# Allegro board SDHCalFEB20180110.brd (continued)
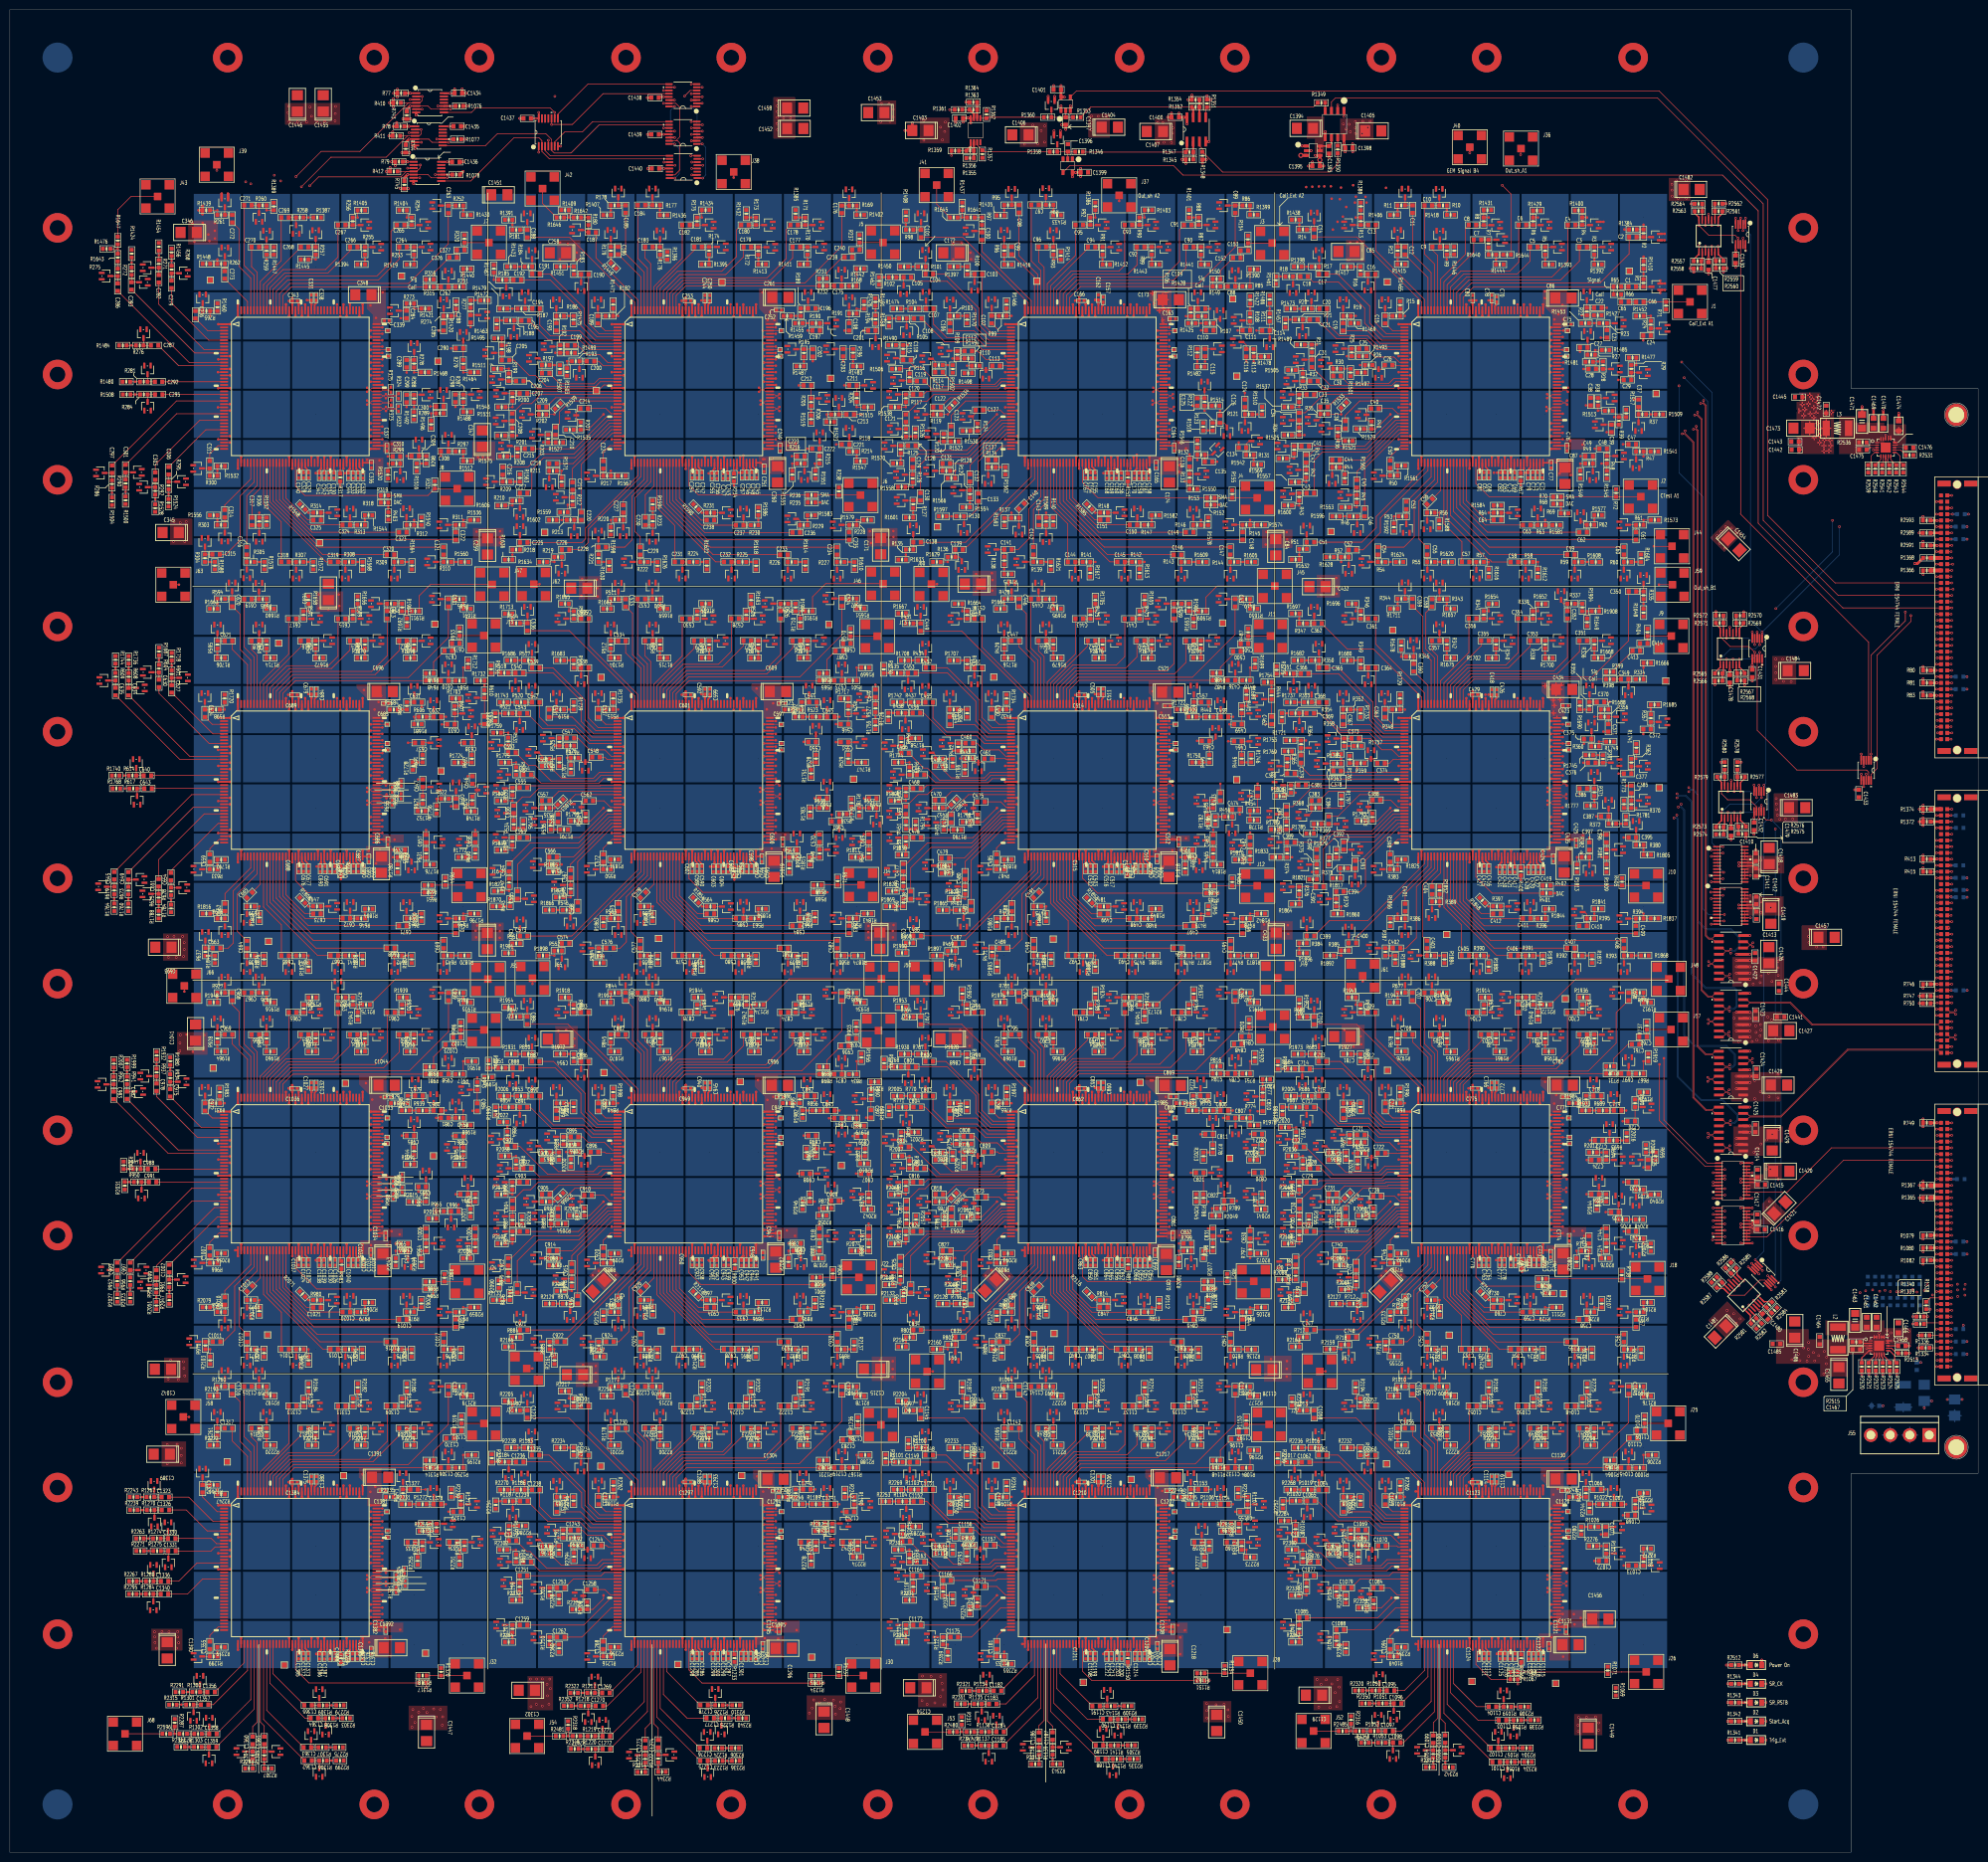
[diagram p0: board, top side]
## Routing (per net, layer and track width the routed paths; a pad name or vN(x,y) marks a point on that pad's centre or on a via; arc(x,y) is an arc through that point) (continued)
GEM_OUT_A32: length 4.1
  TOP w0.127: R1505.2 262,301.2 262.26,301.46 v1(262.94,301.46) R32.1
  GND1 w0.127: v2(262.2,301.46) v1(262.94,301.46)
  GND3 w0.127: v3(262.2,302.2) v2(262.2,301.46)
GEM_OUT_A33: length 4
  TOP w0.127: R1537.2 261.26,293.68 261.27,293.67 v1(262.2,293.67) 262.18,293.69 R33.1
  GND1 w0.127: v2(262.2,292.94) v1(262.2,293.67)
  GND3 w0.127: v3(262.2,292.2) v2(262.2,292.94)
GEM_OUT_A34: length 33.3
  TOP w0.127: R1525.2 R34.1 v1(263.25,287.99)
  GND1 w0.127: v1(263.25,287.99) v2(263.98,287.99)
  SIG3 w0.127: v2(291.21,292.2) 283.08,292.2 278.87,287.99 v2(263.98,287.99)
  GND3 w0.127: v3(292.2,292.2) v2(291.21,292.2)
GEM_OUT_A35: length 5.5
  TOP w0.127: R35.1 268.59,292.26 268.65,292.2 v1(270.73,292.2) 270.73,292.64 270.73,292.65 270.73,293.5 R1533.2
  GND1 w0.127: v1(270.73,292.2) v2(271.46,292.2)
  GND3 w0.127: v3(272.2,292.2) v2(271.46,292.2)
GEM_OUT_A36: length 36.8
  TOP w0.127: R36.1 v1(270.06,286.82) 270.5,286.82 270.51,286.81 R1521.2
  GND1 w0.127: v1(270.06,286.82) v2(270.79,286.82)
  SIG3 w0.127: v2(270.79,286.82) 279.2,286.82 283.69,291.31 300.38,291.31 v2(301.27,292.2)
  GND3 w0.127: v3(302.2,292.2) v2(301.27,292.2)
GEM_OUT_A37: length 3.4
  TOP w0.127: R1509.2 334.66,292.2 v1(333.67,292.2) 332.72,292.2 R37.1
  GND1 w0.127: v2(332.94,292.2) v1(333.67,292.2)
  GND3 w0.127: v3(332.2,292.2) v2(332.94,292.2)
GEM_OUT_A38: length 4
  TOP w0.127: R38.1 322.94,293.44 322.94,293.43 v1(322.94,292.94) 323.8,292.94 323.8,292.93 R1513.2
  GND1 w0.127: v2(322.2,292.94) v1(322.94,292.94)
  GND3 w0.305: v3(322.2,292.2) v2(322.2,292.94)
GEM_OUT_A39: length 16.7
  TOP w0.127: v1(326.24,291.64) R39.1 327.8,291.64 327.8,291.63 R1517.2
  GND1 w0.127: v1(326.24,291.64) v2(325.5,291.64)
  SIG3 w0.127: v2(313,292.2) 313.56,291.64 v2(325.5,291.64)
  GND3 w0.127: v3(312.2,292.2) v2(313,292.2)
GEM_OUT_A40: length 8.1
  TOP w0.127: v1(280.73,292.2) 277.76,289.23 R40.1 R1529.2
  GND1 w0.127: v2(281.46,292.2) v1(280.73,292.2)
  GND3 w0.127: v3(282.2,292.2) v2(281.46,292.2)
GEM_OUT_A41: length 4
  TOP w0.127: R41.1 261.16,284.22 v1(261.16,283.24) 260.71,283.24 260.71,283.24 R1569.2
  GND1 w0.127: v2(261.68,282.72) v1(261.16,283.24)
  GND3 w0.127: v3(262.2,282.2) v2(261.68,282.72)
GEM_OUT_A42: length 33.5
  TOP w0.127: R42.1 v1(263.61,278.43) 262.69,278.43 262.68,278.44 R1557.2
  GND1 w0.127: v2(263.61,279.17) v1(263.61,278.43)
  SIG3 w0.127: v2(292.2,281.46) 289.91,279.17 v2(263.61,279.17)
  GND3 w0.127: v3(292.2,282.2) v2(292.2,281.46)
GEM_OUT_A43: length 4
  TOP w0.127: R43.1 262.2,274.64 v1(262.2,273.67) 261.28,273.67 261.26,273.69 R1600.2
  GND1 w0.127: v2(262.2,272.94) v1(262.2,273.67)
  GND3 w0.127: v3(262.2,272.2) v2(262.2,272.94)
GEM_OUT_A44: length 4
  TOP w0.127: R1565.2 271.45,280.57 271.46,280.58 v1(271.46,281.46) 271,281.46 271,281.46 R44.1
  GND1 w0.127: v1(271.46,281.46) v2(272.2,281.46)
  GND3 w0.127: v3(272.2,282.2) v2(272.2,281.46)
GEM_OUT_A45: length 35.4
  TOP w0.127: R45.1 v1(273.89,273.3) 272.9,273.3 272.89,273.31 R1553.2
  GND1 w0.127: v2(273.89,274.08) v1(273.89,273.3)
  SIG3 w0.127: v2(302.2,281.46) 300.92,281.46 297.87,278.41 278.22,278.41 v2(273.89,274.08)
  GND3 w0.127: v3(302.2,282.2) v2(302.2,281.46)
GEM_OUT_A46: length 3.5
  TOP w0.127: R46.1 271.47,271.45 v1(271.46,271.46) 270.45,271.46 R1596.2
  GND1 w0.127: v2(272.2,271.46) v1(271.46,271.46)
  GND3 w0.127: v3(272.2,272.2) v2(272.2,271.46)
GEM_OUT_A47: length 3.9
  TOP w0.127: v1(332.2,283.67) 332.19,283.68 R47.1 R1541.2
  GND1 w0.127: v2(332.2,282.94) v1(332.2,283.67)
  GND3 w0.127: v3(332.2,282.2) v2(332.2,282.94)
GEM_OUT_A48: length 4
  TOP w0.127: R1545.2 R48.1 324.14,282.21 324.13,282.2 v1(323.67,282.2)
  GND1 w0.127: v2(322.94,282.2) v1(323.67,282.2)
  GND3 w0.127: v3(322.2,282.2) v2(322.94,282.2)
GEM_OUT_A49: length 10.7
  TOP w0.127: R1549.2 319.35,281.3 319.35,281.3 v1(319.35,282.2) 319.35,282.2 R49.1
  GND1 w0.127: v2(318.61,282.2) v1(319.35,282.2)
  SIG3 w0.127: v2(318.61,282.2) 312.94,282.2 v2(312.2,281.46)
  GND3 w0.127: v3(312.2,282.2) v2(312.2,281.46)
GEM_OUT_A50: length 3.5
  TOP w0.127: R50.1 282.21,280.72 v1(282.2,280.73) 282.21,280.74 R1561.2
  GND1 w0.127: v2(282.2,281.46) v1(282.2,280.73)
  GND3 w0.127: v3(282.2,282.2) v2(282.2,281.46)
GEM_OUT_A51: length 3.6
  TOP w0.127: R1632.2 262.2,262.7 v1(262.2,263.67) 262.2,264.12 262.19,264.13 R51.1
  GND1 w0.127: v2(262.2,262.94) v1(262.2,263.67)
  GND3 w0.127: v3(262.2,262.2) v2(262.2,262.94)
GEM_OUT_A52: length 4
  TOP w0.127: R1628.2 270.15,263.19 270.15,263.2 R52.1 v1(270.73,262.2)
  GND1 w0.127: v2(271.46,262.2) v1(270.73,262.2)
  GND3 w0.127: v3(272.2,262.2) v2(271.46,262.2)
GEM_OUT_A53: length 3.9
  TOP w0.127: R1592.2 281.45,270.58 281.46,270.59 v1(281.46,271.46) 282.43,271.46 R53.1
  GND1 w0.127: v2(281.46,272.2) v1(281.46,271.46)
  GND3 w0.127: v3(282.2,272.2) v2(281.46,272.2)
GEM_OUT_A54: length 3.6
  TOP w0.127: R54.1 v1(280.73,262.2) R1624.2
  GND1 w0.127: v2(281.46,262.2) v1(280.73,262.2)
  GND3 w0.127: v3(282.2,262.2) v2(281.46,262.2)
GEM_OUT_A55: length 3.5
  TOP w0.127: R1620.2 v1(290.73,262.2) R55.1
  GND1 w0.127: v2(291.46,262.2) v1(290.73,262.2)
  GND3 w0.127: v3(292.2,262.2) v2(291.46,262.2)
GEM_OUT_A56: length 4.1
  TOP w0.127: R1588.2 290.65,271.68 290.73,271.76 v1(290.73,272.2) 290.72,272.21 R56.1
  GND1 w0.127: v2(291.46,272.2) v1(290.73,272.2)
  GND3 w0.127: v3(292.2,272.2) v2(291.46,272.2)
GEM_OUT_A57: length 4
  TOP w0.127: R1616.2 300.74,261.28 300.73,261.29 v1(300.73,262.2) R57.1
  GND1 w0.127: v2(301.46,262.2) v1(300.73,262.2)
  GND3 w0.127: v3(302.2,262.2) v2(301.46,262.2)
GEM_OUT_A58: length 4
  TOP w0.127: R58.1 v1(310.73,262.2) 310.73,261.3 310.71,261.29 R1612.2
  GND1 w0.127: v2(311.46,262.2) v1(310.73,262.2)
  GND3 w0.127: v3(312.2,262.2) v2(311.46,262.2)
GEM_OUT_A59: length 3.5
  TOP w0.127: R1608.2 v1(320.73,262.2) R59.1
  GND1 w0.127: v2(321.46,262.2) v1(320.73,262.2)
  GND3 w0.127: v3(322.2,262.2) v2(321.46,262.2)
GEM_OUT_A60: length 3.4
  TOP w0.127: R1604.2 331.7,262.2 v1(330.73,262.2) R60.1
  GND1 w0.127: v2(331.46,262.2) v1(330.73,262.2)
  GND3 w0.127: v3(332.2,262.2) v2(331.46,262.2)
GEM_OUT_A61: length 4
  TOP w0.127: R61.1 332.2,269.72 v1(332.2,270.73) 333.71,270.73 R1573.2
  GND1 w0.127: v2(332.2,271.46) v1(332.2,270.73)
  GND3 w0.127: v3(332.2,272.2) v2(332.2,271.46)
GEM_OUT_A62: length 3.5
  TOP w0.127: R1577.2 322.2,271.71 v1(322.2,270.73) 322.2,269.76 R62.1
  GND1 w0.127: v1(322.2,270.73) v2(322.2,271.46)
  GND3 w0.127: v3(322.2,272.2) v2(322.2,271.46)
GEM_OUT_A63: length 4
  TOP w0.127: R1581.2 R63.1 312.2,269.7 v1(312.2,270.73)
  GND1 w0.127: v2(312.2,271.46) v1(312.2,270.73)
  GND3 w0.127: v3(312.2,272.2) v2(312.2,271.46)
GEM_OUT_A64: length 4
  TOP w0.127: v1(300.73,272.2) 301.73,272.2 R64.1 301.74,272.79 301.72,272.8 R1584.2
  GND1 w0.127: v2(301.46,272.2) v1(300.73,272.2)
  GND3 w0.127: v3(302.2,272.2) v2(301.46,272.2)
GEM_OUT_B1: length 5
  TOP w0.127: R1390.2 252.2,321.69 v1(252.2,320.73) 252.2,320.72 R85.1
  GND1 w0.127: v2(252.2,321.46) v1(252.2,320.73)
  GND3 w0.127: v3(252.2,322.2) v2(252.2,321.46)
GEM_OUT_B2: length 3.4
  TOP w0.127: R86.1 252.2,334.64 v1(252.2,333.67) 252.2,333.67 R1399.2
  GND1 w0.127: v2(252.2,332.94) v1(252.2,333.67)
  GND3 w0.127: v3(252.2,332.2) v2(252.2,332.94)
GEM_OUT_B3: length 3.5
  TOP w0.127: R87.1 242.2,324.68 v1(242.2,323.67) 242.2,322.67 R1441.2
  GND1 w0.127: v2(242.2,322.94) v1(242.2,323.67)
  GND3 w0.127: v3(242.2,322.2) v2(242.2,322.94)
GEM_OUT_B4: length 3.5
  TOP w0.127: R88.1 241.75,332.2 v1(240.73,332.2) 239.78,332.2 R1401.2
  GND1 w0.127: v2(241.46,332.2) v1(240.73,332.2)
  GND3 w0.127: v3(242.2,332.2) v2(241.46,332.2)
GEM_OUT_B5: length 3.5
  TOP w0.127: R89.1 232.2,324.69 v1(232.2,323.67) 232.21,323.67 R1443.2
  GND1 w0.127: v2(232.2,322.94) v1(232.2,323.67)
  GND3 w0.127: v3(232.2,322.2) v2(232.2,322.94)
GEM_OUT_B6: length 4
  TOP w0.127: R1403.2 230.73,333.7 v1(230.73,332.2) 230.72,332.21 R90.1
  GND1 w0.127: v2(231.46,332.2) v1(230.73,332.2)
  GND3 w0.127: v3(232.2,332.2) v2(231.46,332.2)
GEM_OUT_B7: length 3.5
  TOP w0.127: R91.1 222.2,324.68 v1(222.2,323.67) 222.2,323.67 R1412.2
  GND1 w0.127: v2(222.2,322.94) v1(222.2,323.67)
  GND3 w0.127: v3(222.2,322.2) v2(222.2,322.94)
GEM_OUT_B8: length 4
  TOP w0.127: R92.1 219.72,332.2 v1(220.73,332.2) 220.73,333.13 220.73,333.13 R1386.2
  GND1 w0.127: v2(221.46,332.2) v1(220.73,332.2)
  GND3 w0.127: v3(222.2,332.2) v2(221.46,332.2)
GEM_OUT_B9: length 4
  TOP w0.127: R1414.2 213.12,323.67 213.12,323.67 v1(212.2,323.67) 212.2,324.68 R93.1
  GND1 w0.127: v2(212.2,322.94) v1(212.2,323.67)
  GND3 w0.127: v3(212.2,322.2) v2(212.2,322.94)
GEM_OUT_B10: length 3.6
  TOP w0.127: R94.1 212.22,334.15 212.2,334.13 v1(212.2,333.67) 212.19,333.66 R1433.2
  GND1 w0.127: v2(212.2,332.94) v1(212.2,333.67)
  GND3 w0.127: v3(212.2,332.2) v2(212.2,332.94)
GEM_OUT_B11: length 3.6
  TOP w0.127: R95.1 202.21,334.13 202.2,334.12 v1(202.2,333.67) 202.2,333.22 202.21,333.21 R1435.2
  GND1 w0.127: v2(202.2,332.94) v1(202.2,333.67)
  GND3 w0.127: v3(202.2,332.2) v2(202.2,332.94)
GEM_OUT_B12: length 3.6
  TOP w0.127: R96.1 202.21,324.12 202.2,324.12 v1(202.2,323.67) 202.21,323.66 R1416.2
  GND1 w0.127: v2(202.2,322.94) v1(202.2,323.67)
  GND3 w0.127: v3(202.2,322.2) v2(202.2,322.94)
GEM_OUT_B13: length 1.5
  TOP w0.127: R97.1 197.67,332.2 R1641.1
GEM_OUT_B14: length 3.5
  TOP w0.127: R1408.2 182.2,331.73 v1(182.2,330.73) 182.2,329.7 R98.1
  GND1 w0.127: v2(182.2,331.46) v1(182.2,330.73)
  GND3 w0.127: v3(182.2,332.2) v2(182.2,331.46)
GEM_OUT_B15: length 4
  TOP w0.127: v1(203.67,312.2) 202.68,312.2 R99.1 R1466.2
  GND1 w0.127: v2(202.94,312.2) v1(203.67,312.2)
  GND3 w0.127: v3(202.2,312.2) v2(202.94,312.2)
GEM_OUT_B16: length 3.5
  TOP w0.127: R100.1 v1(193.67,322.2) R1397.2
  GND1 w0.127: v2(192.94,322.2) v1(193.67,322.2)
  GND3 w0.127: v3(192.2,322.2) v2(192.94,322.2)
GEM_OUT_B17: length 3.5
  TOP w0.127: R1450.2 183.2,322.2 v1(183.67,322.2) R101.1
  GND1 w0.127: v2(182.94,322.2) v1(183.67,322.2)
  GND3 w0.127: v3(182.2,322.2) v2(182.94,322.2)
GEM_OUT_B18: length 40.1
  TOP w0.127: R102.1 v1(177.75,320.07) R1462.2
  GND1 w0.127: v2(178.49,320.07) v1(177.75,320.07)
  SIG3 w0.127: v2(178.49,320.07) 205.07,320.07 v2(212.2,312.94)
  GND3 w0.127: v3(212.2,312.2) v2(212.2,312.94)
GEM_OUT_B19: length 3.4
  TOP w0.127: R103.1 192.72,312.2 v1(193.67,312.2) 194.63,312.2 R1470.2
  GND1 w0.127: v2(192.94,312.2) v1(193.67,312.2)
  GND3 w0.127: v3(192.2,312.2) v2(192.94,312.2)
GEM_OUT_B20: length 3.6
  TOP w0.127: R1474.2 181.72,313.66 181.73,313.67 v1(182.2,313.67) 182.68,313.67 182.69,313.66 R104.1
  GND1 w0.127: v2(182.2,312.94) v1(182.2,313.67)
  GND3 w0.127: v3(182.2,312.2) v2(182.2,312.94)
GEM_OUT_B21: length 45.2
  TOP w0.127: R1458.2 v1(179.83,311.68) R105.1
  GND1 w0.127: v2(180.57,311.68) v1(179.83,311.68)
  SIG3 w0.127: v2(180.57,311.68) 187.53,311.68 187.75,311.46 v2(222.2,311.46)
  GND3 w0.127: v3(222.2,312.2) v2(222.2,311.46)
GEM_OUT_B22: length 9.5
  TOP w0.127: v1(239.17,312.14) R106.1 R1428.2
  GND1 w0.127: v2(238.43,312.14) v1(239.17,312.14)
  SIG3 w0.127: v2(238.43,312.14) 235.99,312.14 235.93,312.2 v2(232.94,312.2)
  GND3 w0.127: v3(232.2,312.2) v2(232.94,312.2)
GEM_OUT_B23: length 3.6
  TOP w0.127: R1425.2 241.69,310.72 241.7,310.73 v1(242.2,310.73) 242.68,310.73 242.68,310.72 R107.1
  GND1 w0.127: v2(242.2,311.46) v1(242.2,310.73)
  GND3 w0.127: v3(242.2,312.2) v2(242.2,311.46)
GEM_OUT_B24: length 3.5
  TOP w0.127: R1422.2 252.2,314.66 v1(252.2,313.67) 252.2,312.65 R108.1
  GND1 w0.127: v2(252.2,312.94) v1(252.2,313.67)
  GND3 w0.127: v3(252.2,312.2) v2(252.2,312.94)
GEM_OUT_B25: length 23.5
  TOP w0.127: R1494.2 193.26,303.55 193.26,303.56 R109.1 v1(191.69,303.56)
  GND1 w0.127: v1(191.69,303.56) v2(192.43,303.56)
  SIG3 w0.127: v2(192.43,303.56) 193.19,302.79 202.13,302.79 202.73,302.2 v2(211.46,302.2)
  GND3 w0.127: v3(212.2,302.2) v2(211.46,302.2)
GEM_OUT_B26: length 10.1
  TOP w0.127: R1498.2 195.64,301.48 195.63,301.49 R110.1 v1(194.64,302.08)
  GND1 w0.127: v1(194.64,302.08) v2(195.38,302.08)
  SIG3 w0.127: v2(195.38,302.08) 201.35,302.08 v2(201.46,302.2)
  GND3 w0.127: v3(202.2,302.2) v2(201.46,302.2)
GEM_OUT_B27: length 34.9
  TOP w0.127: R1486.2 v1(256.18,313.64) R111.1
  GND1 w0.127: v1(256.18,313.64) v2(256.18,312.7)
  SIG3 w0.127: v2(256.18,312.7) 256.18,309.32 252.65,305.79 239.9,305.79 238.15,304.04 234.04,304.04 v3(232.2,302.2) v2(231.46,302.2)
  GND3 w0.127: v3(232.2,302.2) v2(231.46,302.2)
GEM_OUT_B28: length 3.6
  TOP w0.127: R1482.2 241.45,302.48 241.46,302.49 v1(241.46,302.94) 241.46,303.4 241.45,303.42 R112.1
  GND1 w0.127: v2(241.46,302.2) v1(241.46,302.94)
  GND3 w0.127: v3(242.2,302.2) v2(241.46,302.2)
GEM_OUT_B29: length 3.9
  TOP w0.127: v1(252.94,302.94) 252.94,303.93 R113.1 R1478.2
  GND1 w0.127: v2(252.94,302.2) v1(252.94,302.94)
  GND3 w0.127: v3(252.2,302.2) v2(252.94,302.2)
GEM_OUT_B30: length 3.5
  TOP w0.127: R1502.2 190.73,302.19 v1(190.73,302.2) 190.28,302.2 190.27,302.21 R114.1
  GND1 w0.127: v2(191.46,302.2) v1(190.73,302.2)
  GND3 w0.127: v3(192.2,302.2) v2(191.46,302.2)
GEM_OUT_B31: length 44.1
  TOP w0.127: v1(182.6,306.27) R115.1 R1490.2
  GND1 w0.127: v1(182.6,306.27) v2(183.34,306.27)
  SIG3 w0.127: v2(183.34,306.27) 186.28,306.27 187.93,304.62 199.75,304.62 200.96,303.4 202.82,303.4 203.58,302.64 209.96,302.64 210.44,303.12 220.25,303.12 v2(221.17,302.2)
  GND3 w0.127: v3(222.2,302.2) v2(221.17,302.2)
GEM_OUT_B32: length 4.5
  TOP w0.127: R116.1 182.94,300.5 v1(182.94,301.47) 180.95,301.47 R1506.2
  GND1 w0.127: v2(182.2,301.46) 182.2,301.47 182.75,301.47 182.75,301.47 v1(182.94,301.47)
  GND3 w0.127: v3(182.2,302.2) v2(182.2,301.46)
GEM_OUT_B33: length 4
  TOP w0.127: R117.1 182.19,294.14 182.2,294.14 v1(182.2,293.67) 181.76,293.67 181.74,293.65 R1538.2
  GND1 w0.127: v2(182.2,292.94) v1(182.2,293.67)
  GND3 w0.127: v3(182.2,292.2) v2(182.2,292.94)
GEM_OUT_B34: length 32.8
  TOP w0.127: R118.1 182.22,287.7 v1(183.2,287.7) 184.15,287.7 R1526.2
  GND1 w0.127: v2(183.93,287.7) v1(183.2,287.7)
  SIG3 w0.127: v2(183.93,287.7) 184.32,288.09 199.39,288.09 203.5,292.2 v2(211.13,292.2)
  GND3 w0.127: v3(212.2,292.2) v2(211.13,292.2)
GEM_OUT_B35: length 4.4
  TOP w0.127: R119.1 190.26,292.18 190.28,292.2 v1(190.73,292.2) 191.09,292.57 191.09,293.48 R1534.2
  GND1 w0.127: v2(191.46,292.2) v1(190.73,292.2)
  GND3 w0.127: v3(192.2,292.2) v2(191.46,292.2)
GEM_OUT_B36: length 38
  TOP w0.127: R1522.2 190.49,286.71 190.49,286.72 R120.1 v1(188.93,286.72)
  GND1 w0.127: v1(188.93,286.72) v2(189.66,286.72)
  SIG3 w0.127: v2(221.13,292.2) 214.65,292.2 213.82,291.36 203.86,291.36 199.21,286.72 v2(189.66,286.72)
  GND3 w0.127: v3(222.2,292.2) v2(221.13,292.2)
GEM_OUT_B37: length 3.4
  TOP w0.127: R1510.2 253.68,292.19 v1(253.67,292.2) 253.67,292.2 R121.1
  GND1 w0.127: v2(252.94,292.2) v1(253.67,292.2)
  GND3 w0.127: v3(252.2,292.2) v2(252.94,292.2)
GEM_OUT_B38: length 4
  TOP w0.127: R1514.2 243.55,293.95 243.55,293.95 R122.1 242.94,293.94 v1(242.94,292.94)
  GND1 w0.127: v1(242.94,292.94) v2(242.2,292.94)
  GND3 w0.127: v3(242.2,292.2) v2(242.2,292.94)
GEM_OUT_B39: length 17.7
  TOP w0.127: R1518.2 242.69,288.93 v1(243.64,288.93) R123.1
  GND1 w0.127: v2(244.37,288.93) v1(243.64,288.93)
  SIG3 w0.127: v2(231.46,292.2) 232.67,292.2 233.22,291.64 236.75,291.64 239.47,288.93 v2(244.37,288.93)
  GND3 w0.127: v3(232.2,292.2) v2(231.46,292.2)
GEM_OUT_B40: length 8.3
  TOP w0.127: R1530.2 195.85,288.83 195.86,288.82 R124.1 197.35,288.82 v1(200.73,292.2)
  GND1 w0.127: v2(201.46,292.2) v1(200.73,292.2)
  GND3 w0.127: v3(202.2,292.2) v2(201.46,292.2)
GEM_OUT_B41: length 3.5
  TOP w0.127: R125.1 181.15,283.73 181.16,283.73 v1(181.16,283.24) 181.16,282.25 R1570.2
  GND1 w0.127: v2(181.68,282.72) v1(181.16,283.24)
  GND3 w0.127: v3(182.2,282.2) v2(181.68,282.72)
GEM_OUT_B42: length 34.1
  TOP w0.127: R126.1 v1(183.59,277.44) 182.68,277.44 182.67,277.45 R1558.2
  GND1 w0.127: v2(183.59,278.18) v1(183.59,277.44)
  SIG3 w0.127: v2(183.59,278.18) 209.19,278.18 v2(212.2,281.19)
  GND3 w0.127: v3(212.2,282.2) v2(212.2,281.19)
GEM_OUT_B43: length 3.4
  TOP w0.127: R1601.2 183.7,272.17 v1(183.67,272.2) 183.69,272.22 R127.1
  GND1 w0.127: v2(182.94,272.2) v1(183.67,272.2)
  GND3 w0.127: v3(182.2,272.2) v2(182.94,272.2)
GEM_OUT_B44: length 4
  TOP w0.127: R128.1 191.19,280.73 v1(192.2,280.73) 192.2,279.83 192.21,279.82 R1566.2
  GND1 w0.127: v2(192.2,281.46) v1(192.2,280.73)
  GND3 w0.127: v3(192.2,282.2) v2(192.2,281.46)
GEM_OUT_B45: length 33.1
  TOP w0.127: R1554.2 195.23,274.26 v1(195.22,274.27) R129.1
  GND1 w0.127: v2(195.22,275.01) v1(195.22,274.27)
  SIG3 w0.127: v2(195.22,275.01) 215.74,275.01 v2(222.2,281.46)
  GND3 w0.127: v3(222.2,282.2) v2(222.2,281.46)
GEM_OUT_B46: length 3.5
  TOP w0.127: R1597.2 191.45,271.48 v1(191.46,271.46) 191.48,271.48 R130.1
  GND1 w0.127: v2(192.2,271.46) v1(191.46,271.46)
  GND3 w0.127: v3(192.2,272.2) v2(192.2,271.46)
GEM_OUT_B47: length 3.4
  TOP w0.127: R1542.2 252.92,282.92 v1(252.94,282.94) 252.93,282.94 R131.1
  GND1 w0.127: v1(252.94,282.94) v2(252.2,282.94)
  GND3 w0.127: v3(252.2,282.2) v2(252.2,282.94)
GEM_OUT_B48: length 4
  TOP w0.127: v1(241.46,282.94) 241.46,283.96 R132.1 241.48,284.57 241.48,284.57 R1546.2
  GND1 w0.127: v2(241.46,282.2) v1(241.46,282.94)
  GND3 w0.127: v3(242.2,282.2) v2(241.46,282.2)
GEM_OUT_B49: length 12.2
  TOP w0.127: v1(238.91,278.56) R133.1 239.9,277.99 239.92,277.97 R1550.2
  GND1 w0.127: v1(238.91,278.56) v2(239.65,278.56)
  SIG3 w0.127: v2(239.65,278.56) 236.01,282.2 v2(232.96,282.2)
  GND3 w0.127: v3(232.2,282.2) v2(232.96,282.2)
GEM_OUT_B50: length 3.5
  TOP w0.127: R134.1 201.46,281.46 v1(201.46,281.46) 202.43,281.46 R1562.2
  GND1 w0.127: v2(201.46,282.2) v1(201.46,281.46)
  GND3 w0.127: v3(202.2,282.2) v2(201.46,282.2)
GEM_OUT_B51: length 3.5
  TOP w0.127: R135.1 182.19,263.68 v1(182.2,263.67) 182.2,262.67 R1633.2
  GND1 w0.127: v2(182.2,262.94) v1(182.2,263.67)
  GND3 w0.127: v3(182.2,262.2) v2(182.2,262.94)
GEM_OUT_B52: length 4
  TOP w0.127: R1629.2 189.25,262.2 v1(190.73,262.2) 190.73,262.2 R136.1
  GND1 w0.127: v2(191.46,262.2) v1(190.73,262.2)
  GND3 w0.127: v3(192.2,262.2) v2(191.46,262.2)
GEM_OUT_B53: length 4
  TOP w0.127: v1(203.67,272.2) 203.67,271.15 R137.1 203.67,271.13 R1593.2
  GND1 w0.127: v2(202.94,272.2) v1(203.67,272.2)
  GND3 w0.127: v3(202.2,272.2) v2(202.94,272.2)
GEM_OUT_B54: length 3.5
  TOP w0.127: R1625.2 v1(202.2,260.73) 202.2,261.71 R138.1
  GND1 w0.127: v2(202.2,261.46) v1(202.2,260.73)
  GND3 w0.127: v3(202.2,262.2) v2(202.2,261.46)
GEM_OUT_B55: length 3.5
  TOP w0.127: R139.1 210.28,262.2 210.28,262.2 v1(210.73,262.2) 210.74,262.19 R1621.2
  GND1 w0.127: v2(211.46,262.2) v1(210.73,262.2)
  GND3 w0.127: v3(212.2,262.2) v2(211.46,262.2)
GEM_OUT_B56: length 4
  TOP w0.127: R1589.2 211.32,271.21 211.32,271.2 R140.1 210.72,272.19 v1(210.73,272.2)
  GND1 w0.127: v2(211.46,272.2) v1(210.73,272.2)
  GND3 w0.127: v3(212.2,272.2) v2(211.46,272.2)
GEM_OUT_B57: length 4
  TOP w0.127: v1(220.73,262.2) 220.28,262.2 220.28,262.2 R141.1 219.68,262.2 R1617.2
  GND1 w0.127: v2(221.46,262.2) v1(220.73,262.2)
  GND3 w0.127: v3(222.2,262.2) v2(221.46,262.2)
GEM_OUT_B58: length 3.9
  TOP w0.127: v1(230.73,262.2) 229.72,262.2 R142.1 229.71,262.2 R1613.2
  GND1 w0.127: v2(231.46,262.2) v1(230.73,262.2)
  GND3 w0.127: v3(232.2,262.2) v2(231.46,262.2)
GEM_OUT_B59: length 3.5
  TOP w0.127: R143.1 239.73,262.2 v1(240.73,262.2) R1609.2
  GND1 w0.127: v2(241.46,262.2) v1(240.73,262.2)
  GND3 w0.127: v3(242.2,262.2) v2(241.46,262.2)
GEM_OUT_B60: length 3.4
  TOP w0.127: R1605.2 v1(250.73,262.2) 249.71,262.2 R144.1
  GND1 w0.127: v2(251.46,262.2) v1(250.73,262.2)
  GND3 w0.127: v3(252.2,262.2) v2(251.46,262.2)
GEM_OUT_B61: length 4
  TOP w0.127: v1(252.2,270.73) 252.2,269.75 R145.1 252.77,269.75 252.77,269.74 R1574.2
  GND1 w0.127: v2(252.2,271.46) v1(252.2,270.73)
  GND3 w0.127: v3(252.2,272.2) v2(252.2,271.46)
GEM_OUT_B62: length 4
  TOP w0.127: v1(242.2,270.73) 242.2,269.71 R146.1 242.76,269.7 242.77,269.69 R1578.2
  GND1 w0.127: v2(242.2,271.46) v1(242.2,270.73)
  GND3 w0.127: v3(242.2,272.2) v2(242.2,271.46)
GEM_OUT_B63: length 3.5
  TOP w0.127: R147.1 232.2,269.73 v1(232.2,270.73) 232.2,271.7 R1582.2
  GND1 w0.127: v2(232.2,271.46) v1(232.2,270.73)
  GND3 w0.127: v3(232.2,272.2) v2(232.2,271.46)
GEM_OUT_B64: length 3.5
  TOP w0.127: R148.1 220.74,272.21 v1(220.73,272.2) 220.73,272.22 220.05,272.9
  GND1 w0.127: v2(221.46,272.2) v1(220.73,272.2)
  GND3 w0.127: v3(222.2,272.2) v2(221.46,272.2)
GEM_OUT_C1: length 5
  TOP w0.127: R1442.2 172.19,320.74 v1(172.2,320.73) 172.2,318.31 R168.1
  GND1 w0.127: v2(172.2,321.46) v1(172.2,320.73)
  GND3 w0.127: v3(172.2,322.2) v2(172.2,321.46)
GEM_OUT_C2: length 3.4
  TOP w0.127: R169.1 172.2,334.62 v1(172.2,333.67) 172.2,332.73 R1402.2
  GND1 w0.127: v2(172.2,332.94) v1(172.2,333.67)
  GND3 w0.127: v3(172.2,332.2) v2(172.2,332.94)
GEM_OUT_C3: length 3.4
  TOP w0.127: R170.1 162.2,324.67 v1(162.2,323.67) 162.2,322.71 R1411.2
  GND1 w0.127: v2(162.2,322.94) v1(162.2,323.67)
  GND3 w0.127: v3(162.2,322.2) v2(162.2,322.94)
GEM_OUT_C4: length 3.4
  TOP w0.127: R1385.2 159.77,332.2 v1(160.73,332.2) 160.73,332.2 R171.1
  GND1 w0.127: v2(161.46,332.2) v1(160.73,332.2)
  GND3 w0.127: v3(162.2,332.2) v2(161.46,332.2)
GEM_OUT_C5: length 3.4
  TOP w0.127: R172.1 152.2,324.64 v1(152.2,323.67) 152.2,323.67 R1413.2
  GND1 w0.127: v2(152.2,322.94) v1(152.2,323.67)
  GND3 w0.127: v3(152.2,322.2) v2(152.2,322.94)
GEM_OUT_C6: length 3.5
  TOP w0.127: R1432.2 149.77,332.2 v1(150.73,332.2) 150.73,332.2 R173.1
  GND1 w0.127: v2(151.46,332.2) v1(150.73,332.2)
  GND3 w0.127: v3(152.2,332.2) v2(151.46,332.2)
GEM_OUT_C7: length 3.5
  TOP w0.127: R1395.2 142.2,322.72 v1(142.2,323.67) 142.2,324.69 R174.1
  GND1 w0.127: v2(142.2,322.94) v1(142.2,323.67)
  GND3 w0.127: v3(142.2,322.2) v2(142.2,322.94)
GEM_OUT_C8: length 4
  TOP w0.127: R175.1 139.73,332.2 v1(140.73,332.2) 140.73,333.1 140.72,333.11 R1434.2
  GND1 w0.127: v2(141.46,332.2) v1(140.73,332.2)
  GND3 w0.127: v3(142.2,332.2) v2(141.46,332.2)
GEM_OUT_C9: length 4
  TOP w0.127: R176.1 132.21,323.68 v1(132.2,323.67) 133.11,323.67 133.11,323.67 R1396.2
  GND1 w0.127: v2(132.2,322.94) v1(132.2,323.67)
  GND3 w0.127: v3(132.2,322.2) v2(132.2,322.94)
GEM_OUT_C10: length 3.5
  TOP w0.127: R177.1 132.2,334.69 v1(132.2,333.67) 132.2,332.67 R1436.2
  GND1 w0.127: v2(132.2,332.94) v1(132.2,333.67)
  GND3 w0.127: v3(132.2,332.2) v2(132.2,332.94)
GEM_OUT_C11: length 3.5
  TOP w0.127: R1407.2 v1(122.2,333.67) 122.2,334.66 R178.1
  GND1 w0.127: v2(122.2,332.94) v1(122.2,333.67)
  GND3 w0.127: v3(122.2,332.2) v2(122.2,332.94)
GEM_OUT_C12: length 3.3
  TOP w0.127: R1449.2 122.2,322.95 v1(122.2,323.67) 122.2,324.12 122.2,324.13 R179.1
  GND1 w0.127: v2(122.2,322.94) v1(122.2,323.67)
  GND3 w0.127: v3(122.2,322.2) v2(122.2,322.94)
GEM_OUT_C13: length 1.5
  TOP w0.127: R1642.1 117.65,332.2 R180.1
GEM_OUT_C14: length 3.5
  TOP w0.127: R181.1 102.2,329.68 v1(102.2,330.73) 102.2,331.71 R1391.2
  GND1 w0.127: v2(102.2,331.46) v1(102.2,330.73)
  GND3 w0.127: v3(102.2,332.2) v2(102.2,331.46)
GEM_OUT_C15: length 4
  TOP w0.127: v1(123.67,312.2) 122.68,312.2 R182.1 122.67,312.79 122.68,312.8 R1471.2
  GND1 w0.127: v2(122.94,312.2) v1(123.67,312.2)
  GND3 w0.127: v3(122.2,312.2) v2(122.94,312.2)
GEM_OUT_C16: length 3.5
  TOP w0.127: R1451.2 113.67,322.2 v1(113.67,322.2) 113.68,322.19 R183.1
  GND1 w0.127: v2(112.94,322.2) v1(113.67,322.2)
  GND3 w0.127: v3(112.2,322.2) v2(112.94,322.2)
GEM_OUT_C17: length 3.5
  TOP w0.127: R1423.2 v1(103.67,322.2) R184.1
  GND1 w0.127: v2(102.94,322.2) v1(103.67,322.2)
  GND3 w0.127: v3(102.2,322.2) v2(102.94,322.2)
GEM_OUT_C18: length 39.7
  TOP w0.127: R1467.2 v1(98.42,319.53) R185.1
  GND1 w0.127: v1(98.42,319.53) v2(99.16,319.53)
  SIG3 w0.127: v2(132.2,312.91) 125.58,319.53 v2(99.16,319.53)
  GND3 w0.127: v3(132.2,312.2) v2(132.2,312.91)
GEM_OUT_C19: length 3.4
  TOP w0.127: R1475.2 113.68,312.19 v1(113.67,312.2) 113.66,312.19 R186.1
  GND1 w0.127: v2(112.94,312.2) v1(113.67,312.2)
  GND3 w0.127: v3(112.2,312.2) v2(112.94,312.2)
GEM_OUT_C20: length 3.6
  TOP w0.127: R1479.2 101.15,313.67 v1(102.2,313.67) 103.25,313.67 R187.1
  GND1 w0.127: v2(102.2,312.94) v1(102.2,313.67)
  GND3 w0.127: v3(102.2,312.2) v2(102.2,312.94)
GEM_OUT_C21: length 45
  TOP w0.127: R1463.2 v1(100.03,311.28) R188.1
  GND1 w0.127: v1(100.03,311.28) v2(100.76,311.28)
  SIG3 w0.127: v2(142.2,311.46) 102.33,311.46 102.15,311.28 v2(100.76,311.28)
  GND3 w0.127: v3(142.2,312.2) v2(142.2,311.46)
GEM_OUT_C22: length 9.7
  TOP w0.127: R1459.2 158.83,312.2 v1(159.87,312.2) R189.1
  GND1 w0.127: v2(159.13,312.2) v1(159.87,312.2)
  SIG3 w0.127: v2(159.13,312.2) v2(152.94,312.2)
  GND3 w0.127: v3(152.2,312.2) v2(152.94,312.2)
GEM_OUT_C23: length 3.4
  TOP w0.127: R190.1 162.21,310.72 v1(162.2,310.73) 162.19,310.72 R1455.2
  GND1 w0.127: v2(162.2,311.46) v1(162.2,310.73)